# Altium PCB FX_HT32.PcbDoc (part 1 of 3)
Units mil, origin at the board's own origin, x right, y up, seen from the top; angles counter-clockwise.
Board outline 4186 x 4124 mil, 2 copper layers (Top Layer, Bottom Layer); 60 components, 114 nets, 280 pads, 2 vias.
Unrouted connection lines stored in the file: 13.
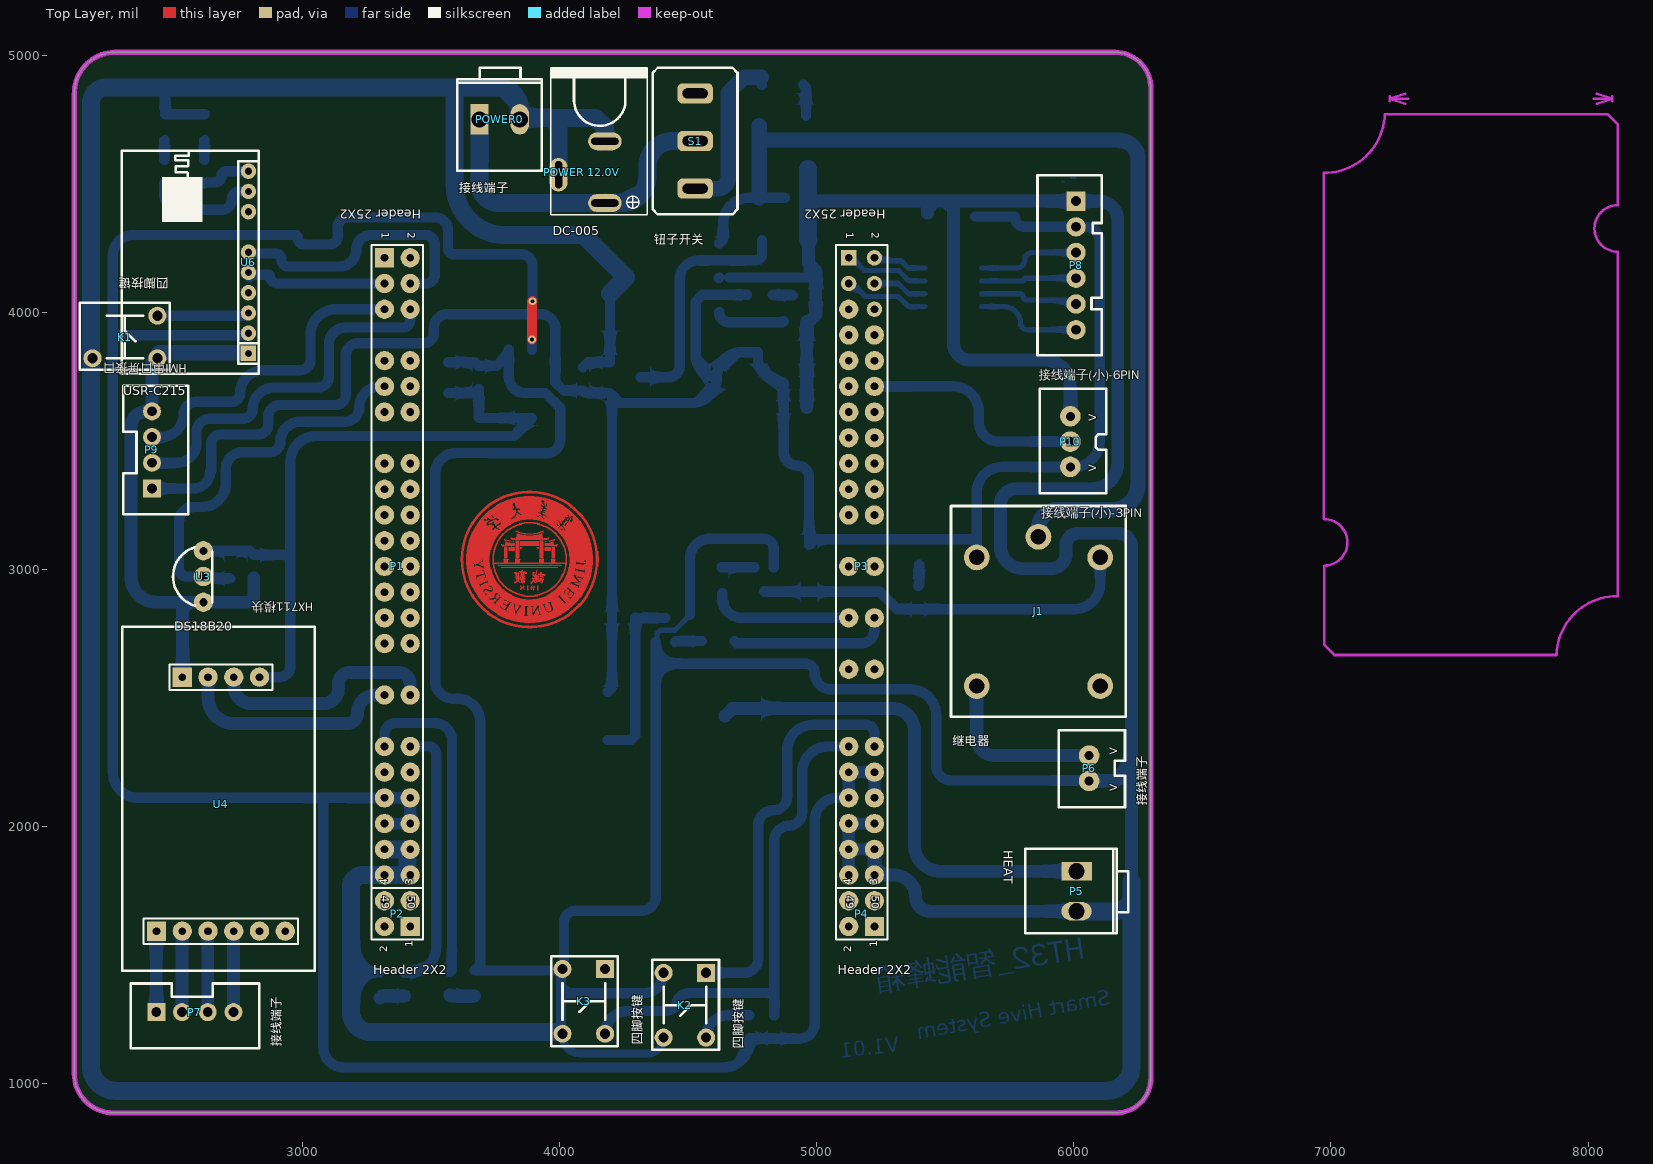
[diagram p0: Top Layer view]
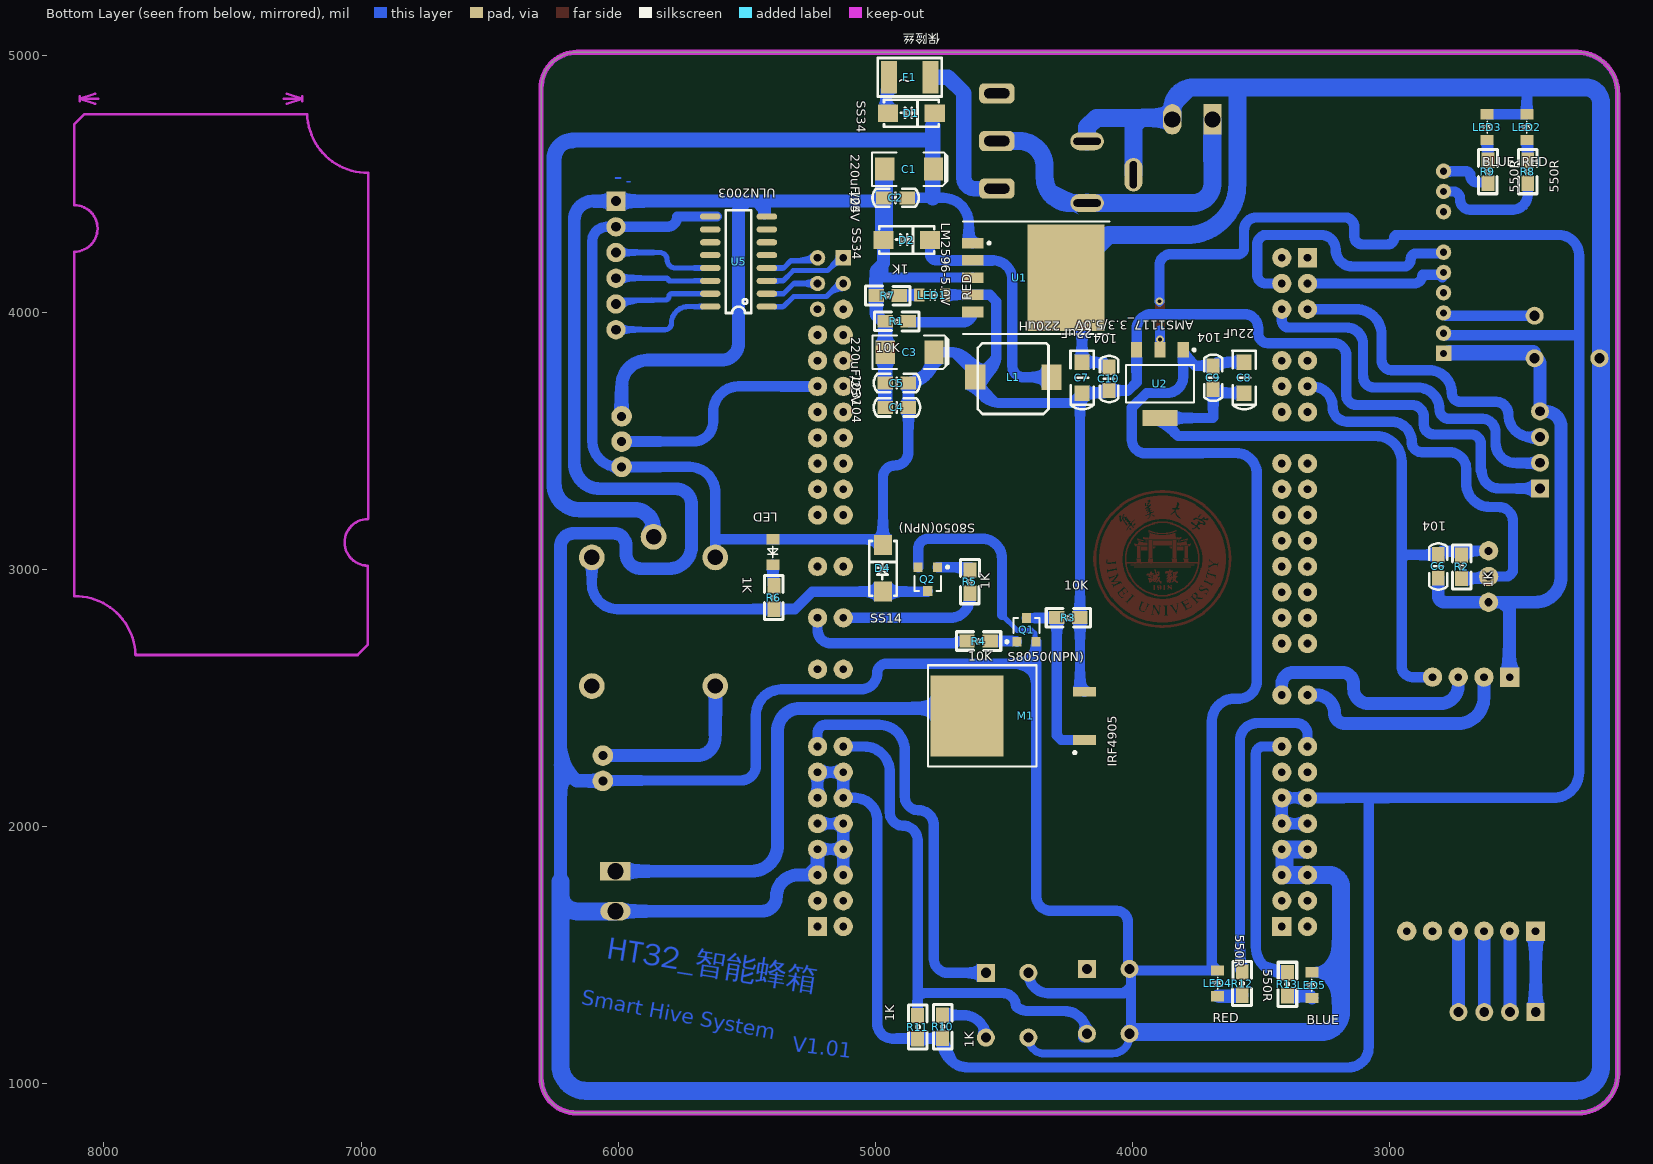
[diagram p1: Bottom Layer view, seen from below]
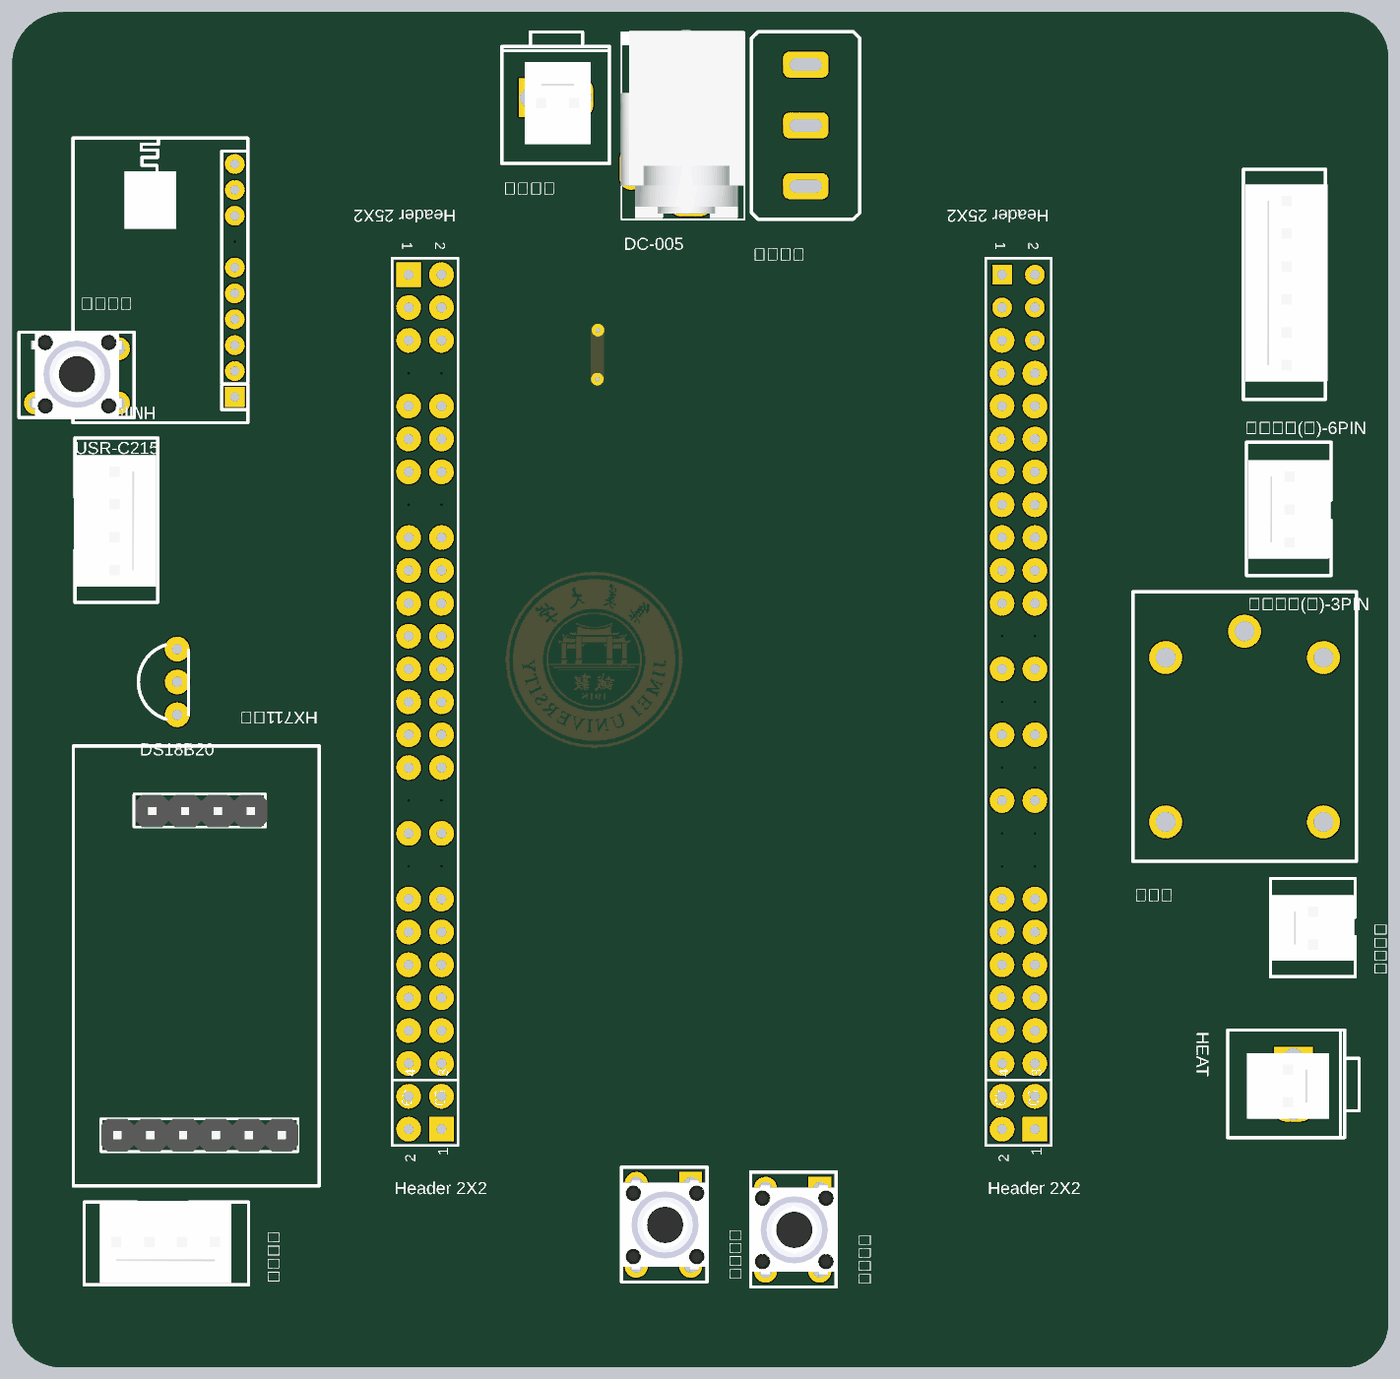
[diagram p4: 3D render of the assembled board from above, using the file's embedded part models]
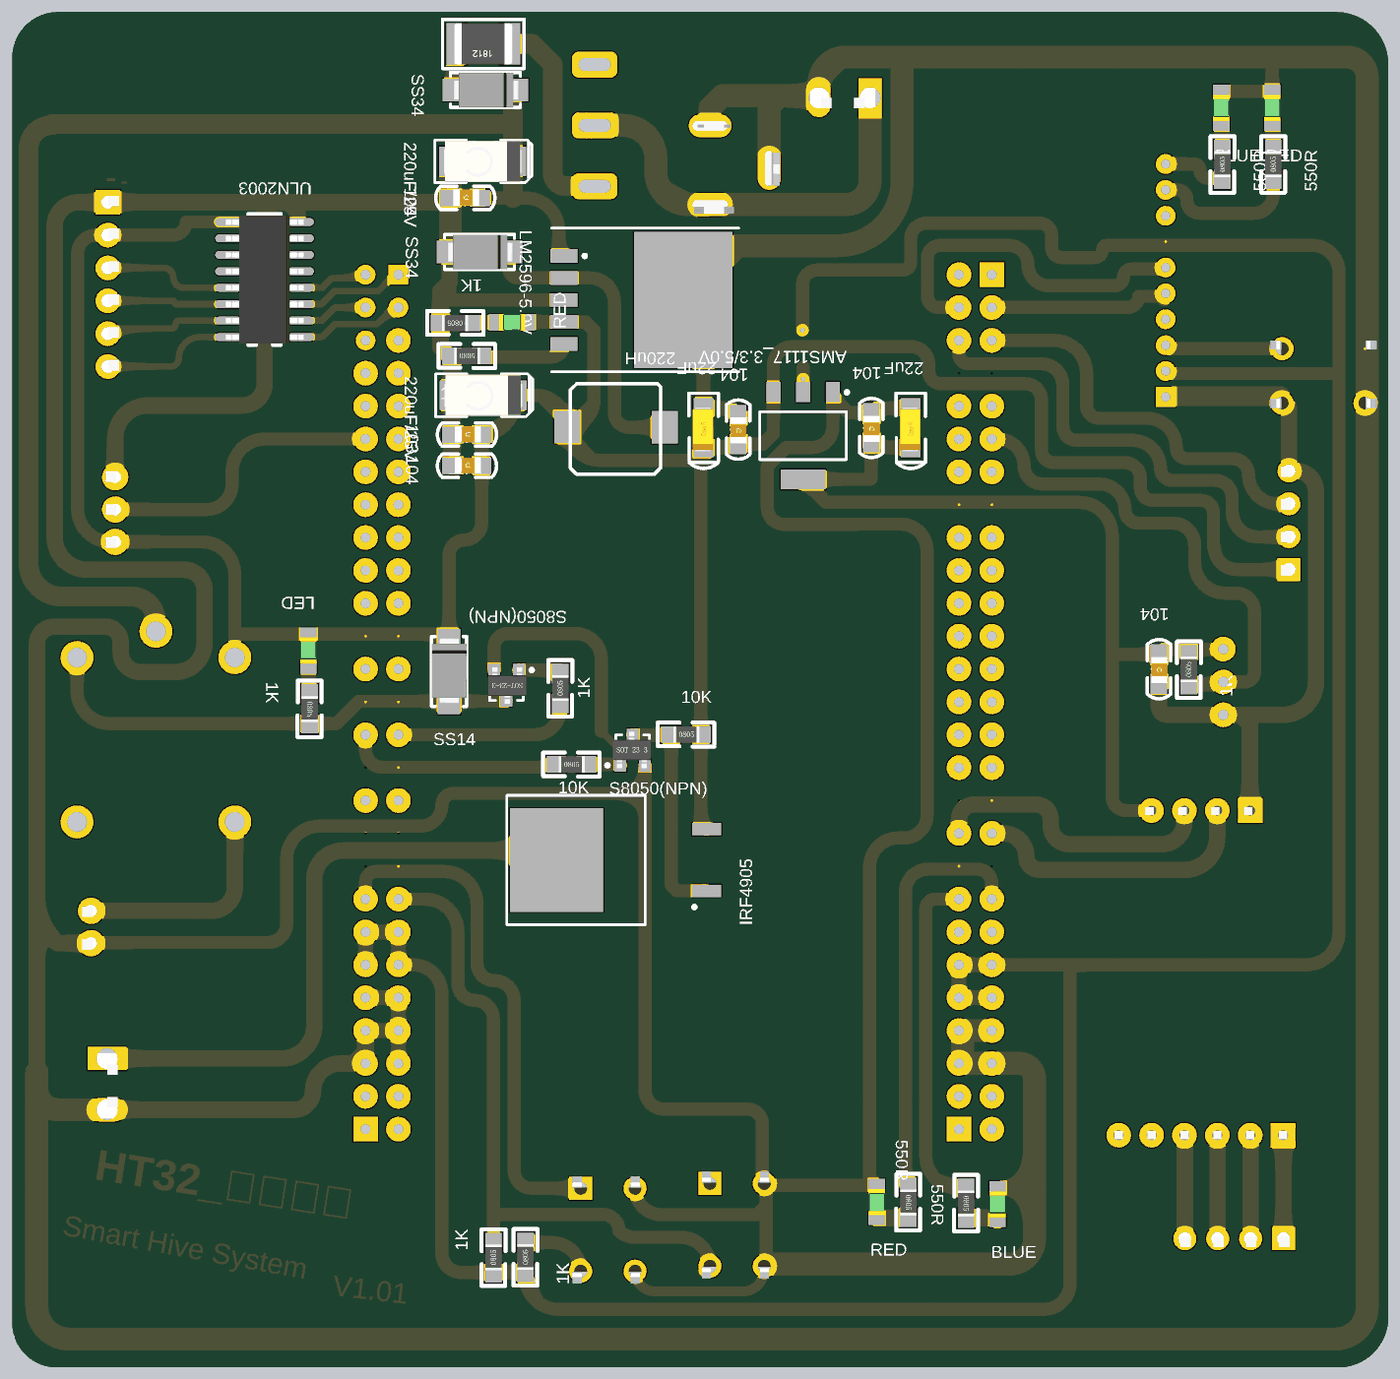
[diagram p5: 3D render of the assembled board from below, using the file's embedded part models]

## Layer stack, top to bottom
Top Solder: solder mask 0.4, Solder Resist, Dk 3.5
Top Layer: signal copper 1.4
Dielectric 1: dielectric 12.6, FR-4, Dk 4.8
Bottom Layer: signal copper 1.4
Bottom Solder: solder mask 0.4, Solder Resist, Dk 3.5

## Board outline
2114,1038.93 ccw(c2265.93,1038.93) 2265.93,887 6164,887 ccw(c6164,1023) 6300,1023 6300,4872 ccw(c6161,4872) 6161,5011 2270,5011 ccw(c2273,4852) 2114,4849

## Design rules (kind name [scope] priority, off if disabled: settings)
Clearance [All] p1: gap=10
ComponentClearance [All] p1: gap=0 collisioncheckmode=3 verticalgap=0 showdistances=FALSE
PolygonConnect [All] p1: connectstyle=Relief reliefconductorwidth=10 reliefentries=4 polygonreliefangle="90 Angle" airgapwidth=10
RoutingVias [All] p1: holewidth=28 width=50 viastyle="Through Hole" minholewidth=28 minwidth=50 maxholewidth=28 maxwidth=50
SolderMaskExpansion [All] p1: expansion=4
Width [All] p1: maxlimit=80 minlimit=20 preferedwidth=40
29 further rules are at their usual default settings.

## Components (designator, comment, footprint, x,y, rotation, side; value= is the part's Value field where it differs from the comment)
C1 "220uF/25V" Cap1(100uF) 4774,4557 r180 bottom
C2 "104" 0805C 4962,4445 r180 bottom
C3 "220uF/25V" Cap1(100uF) 4772,3845 r180 bottom
C4 "104" 0805C 4957,3630 r180 bottom
C5 "103" 0805C 4957,3725 r180 bottom
C6 "104" 0805C 2812,3052 r270 bottom
C7 "22uF" Cap122uF) 4197,3686 r270 bottom
C8 "22uF" Cap122uF) 3567,3686 r270 bottom
C9 "104" 0805C 3687,3786 r270 bottom
C10 "104" 0805C 4092,3781 r270 bottom
D1 "SS34" SS14 4944,4773 r180 bottom
D2 "SS34" SS14 4962,4280 r180 bottom
D4 "SS14" SS14 4970,2921 r90 bottom
F1 "保险丝" 1812 4781,4914 r0 bottom
J1 "继电器" 继电器 5865,3128 r0 top
K1 "四脚按键" SW_PB4_DIP#1 2437,3988 r180 top
K2 "四脚按键" SW_PB4_DIP#2 4572,1180 r90 top
K3 "四脚按键" SW_PB4_DIP#2 4179,1195 r90 top
L1 "220uH" "电感 220uh" 4317,3750 r0 bottom
LED1 "RED" 0805LED 4732,4065 r0 bottom
LED2 "RED" 0805LED 2469,4672 r90 bottom
LED3 "BLUE" 0805LED 2624,4672 r90 bottom
LED4 "RED" 0805LED 3672,1343 r90 bottom
LED5 "BLUE" 0805LED 3305,1336 r90 bottom
M1 "IRF4905" IRF4905 4641,2447 r90 bottom
P1 "Header 25X2" HDR2X25#1 3320,4212 r270 top
P2 "Header 2X2" HDR2X2 3420,1612 r90 top
P3 "Header 25X2" HDR2X25#2 5125,4212 r270 top
P4 "Header 2X2" HDR2X2 5225,1612 r90 top
P5 "HEAT" HEAT 6011,1825 r270 top
P6 "接线端子" 接线端子(小)-2PIN 6060,2178 r90 top
P7 "接线端子" 接线端子(小)-4PIN 2632,1276 r180 top
P8 "接线端子(小)-6PIN" 接线端子(小)-6PIN 6007,4033 r90 top
P9 "HMI串口屏接口" 接线端子(小)-4PIN 2419,3514 r270 top
P10 "接线端子(小)-3PIN" 接线端子(小)-3PIN 5967,3399 r90 top
POWER0 "接线端子" HEAT 3692,4750 r0 top
"POWER 12.0V" "DC-005" DC-005 4172,4420 r90 top
Q1 "S8050(NPN)" NPN 4375,2719 r180 bottom
Q2 "S8050(NPN)" NPN 4834,3009 r0 bottom
R1 "10K" 0805R 4917,3965 r180 bottom
R2 "1K" 0805R 2721,3010 r90 bottom
R3 "10K" 0805R 4250,2813 r180 bottom
R4 "10K" 0805R 4599,2722 r180 bottom
R5 "1K" 0805R 4633,2953 r90 bottom
R6 "1K" 0805R 5395,2891 r270 bottom
R7 "1K" 0805R 4952,4065 r0 bottom
R8 "550R" 0805R 2464,4547 r90 bottom
R9 "550R" 0805R 2619,4547 r90 bottom
R10 "1K" 0805R 4739,1222 r90 bottom
R11 "1K" 0805R 4836,1221 r90 bottom
R12 "550R" 0805R 3574,1390 r270 bottom
R13 "550R" 0805R 3398,1387 r270 bottom
S1 "钮子开关" 钮子开关(大) 4527,4485 r90 top
U1 "LM2596-5.0V" TO-263-5 4622,4265 r270 bottom
U2 "AMS1117_3.3/5.0V" SOT-223 3807,3856 r0 bottom
U3 "DS18B20" DS18B20 2617,2972 r0 top
U4 "HX711模块" HX711模块 2753,2089 r270 top
U5 "ULN2003" ULN2003 5536,4192 r0 bottom
U6 "USR-C215" USR-C215 2527,4434 r0 top
? "LED" 0805LED 5397,3116 r270 bottom

## Footprints (in the part's own frame and the unit in brackets; to place one, negate y for a bottom-side part, rotate by r counter-clockwise, add the part's x,y. Pads: shape width x height; smd on the part's side, far side on the other; paste and mask are expansions set on the pad)
0805C [mil]
  rect 60x50 smd: 1(-5,0) 2(85,0)
  silkscreen extent -50,-35 131,36, body extent -16,-26 102,29, height 37
0805LED [mil]
  rect 40x50 smd: 1(-2,-2) 2(98,-2)
  silkscreen extent 25,-22 71,18, body extent 7,-27 87,23, height 43
0805R [mil]
  rect 60x50 smd: 1(-45,0) 2(45,0)
  silkscreen extent -86,-37 86,36, body extent -38,-25 40,25, height 22
1812 [mm]
  rect 1.6x3.2 smd: 1(0.127,0) 2(4.227,0)
  silkscreen extent -0.97,-1.9 5.33,1.9, body extent -0.07,-1.6 4.43,1.6, height 1.6
Cap1(100uF) [mil]
  rect 75x90 smd: 1(0,0) 2(-190,0)
  silkscreen extent -240,-65 55,65, body extent -213,-63 23,63, height 102
Cap122uF) [mil]
  rect 60x60 smd: 1(0,0) 2(-120,0)
  silkscreen extent -165,-45 64,45, body extent -122,-33 12,30, height 65
DC-005 [mil]
  oval 70x130 hole 27.56 slot 106.3 at 90 deg: 1(5,-5) 2(245,-5)
  oval 130x70 hole 27.56 slot 106.3 at 0 deg: 3(115,175)
  silkscreen extent -40,-170 530,205, body extent -36,-168 538,207, height 430
DS18B20 [mm]
  round 1.905 hole 0.8: 1(-0.027,-2.523) 2(-0.027,0.017) 3(-0.027,2.557)
  silkscreen extent -3.03,-2.86 0.85,2.88, body extent -2.73,-2.81 1.45,2.93, height 16.25
HDR2X2 [mil] "Connector; Header; 2x2 Position"
  rect 75x75 hole 30: 1(0,0)
  round 75 hole 30: 2(0,100) 3(100,0) 4(100,100)
  silkscreen extent -50,-50 150,150
HDR2X25#1 [mil] "Connector; Header; 25x2 Position"
  rect 75x75 hole 30: 1(0,0)
  round 75 hole 30: 2(0,100) 3(100,0) 4(100,100) 5(200,0) 6(200,100) 9(400,0) 10(400,100) 11(500,0) 12(500,100) 13(600,0) 14(600,100) 17(800,0) 18(800,100) 19(900,0) 20(900,100) 21(1000,0) 22(1000,100) 23(1100,0) 24(1100,100) 25(1200,0) 26(1200,100) 27(1300,0) 28(1300,100) 29(1400,0) 30(1400,100) 31(1500,0) 32(1500,100) 35(1700,0) 36(1700,100) 39(1900,0) 40(1900,100) 41(2000,0) 42(2000,100) 43(2100,0) 44(2100,100) 45(2200,0) 46(2200,100) 47(2300,0) 48(2300,100) 49(2400,0) 50(2400,100)
  round 0 all layers, no hole: 7(300,0) 8(300,100) 15(700,0) 16(700,100) 33(1600,0) 34(1600,100) 37(1800,0) 38(1800,100)
  silkscreen extent -50,-50 2450,150
HDR2X25#2 [mil] "Connector; Header; 25x2 Position"
  rect 60x60 hole 30: 1(0,0)
  round 60 hole 30: 2(0,100) 3(100,0) 4(100,100) 6(200,100)
  round 75 hole 30: 5(200,0) 7(300,0) 8(300,100) 9(400,0) 10(400,100) 11(500,0) 12(500,100) 13(600,0) 14(600,100) 15(700,0) 16(700,100) 17(800,0) 18(800,100) 19(900,0) 20(900,100) 21(1000,0) 22(1000,100) 25(1200,0) 26(1200,100) 29(1400,0) 30(1400,100) 33(1600,0) 34(1600,100) 39(1900,0) 40(1900,100) 41(2000,0) 42(2000,100) 43(2100,0) 44(2100,100) 45(2200,0) 46(2200,100) 47(2300,0) 48(2300,100) 49(2400,0) 50(2400,100)
  round 0 all layers, no hole: 23(1100,0) 24(1100,100) 27(1300,0) 28(1300,100) 31(1500,0) 32(1500,100) 35(1700,0) 36(1700,100) 37(1800,0) 38(1800,100)
  silkscreen extent -50,-50 2450,150
HEAT [mm]
  rect 1.8x3 hole 1.6: 1(-0.051,0.007)
  oval 1.8x3 hole 1.6: 2(3.909,0.007)
  silkscreen extent -2.25,-5.07 6.07,5.09, body extent -0.47,-3.57 4.61,2.78, height 11.68
HX711模块 [mil]
  round 75 hole 30: 1(-492.49,81.19) 2(-492.49,-18.81) 3(-492.49,-118.81) 6(495.26,-219) 7(495.26,-119) 8(495.26,-19) 9(495.26,81) 10(495.26,181)
  rect 75x75 hole 30: 4(-492.49,-218.81) 5(495.26,-319)
  silkscreen extent -689,-453 650,295, body extent -669,-433 630,276, height 340
IRF4905 [mm]
  rect 8x7.2 smd: 1(-0.41,0.087)
  rect 0.95x2.25 smd: 2(-2.79,-11.513) 3(1.97,-11.513)
  silkscreen extent -5.41,-10.69 4.59,3.91, body extent -5.41,-6.76 4.59,1.94, height 4.5
NPN [mm]
  rect 0.9x0.95 smd: 1(-0.001,0.001) 2(-1.901,0.001) 3(-0.951,2.351)
  silkscreen extent -3.03,-0.12 0.35,2.35, body extent -2.47,-0.21 0.43,2.59, height 1.2
SOT-223 [mm]
  rect 1.1x1.55 smd: 1(-0.09,0.029) 2(2.21,0.029) 3(4.51,0.029)
  rect 3.45x1.55 smd: 4(2.21,6.779)
  silkscreen extent -1.29,-0.07 5.56,5.25, body extent -1.09,-0.53 5.51,6.83, height 0.8
SS14 [mm]
  rect 2x1.75 smd: 1(-0.178,0.025) 2(4.422,0.025)
  silkscreen extent -0.58,-1.32 4.82,1.38, body extent -0.38,-1.32 4.73,1.35, height 2.12
SW_PB4_DIP#1 [mil]
  rect 0x0 all layers, no hole: 1(251.98,1.32)
  round 70 hole 39.37: 2(251.98,166.68) 3(0.02,166.68) 4(0.02,1.32)
  silkscreen extent -48,-49 302,211, body extent -37,-49 288,207, height 315
SW_PB4_DIP#2 [mil]
  rect 70x70 hole 39.37: 1(251.98,1.32)
  round 70 hole 39.37: 2(251.98,166.68) 3(0.02,166.68) 4(0.02,1.32)
  silkscreen extent -48,-49 302,211, body extent -37,-49 288,207, height 315
TO-263-5 [mm]
  rect 1.05x2.1 smd: 1(-0.098,0.017) 2(1.602,0.017) 3(3.302,0.017) 4(5.002,0.017) 5(6.702,0.017)
  rect 10.5x7.62 smd: 6(3.302,9.229)
  silkscreen extent -2.25,-0.93 8.85,13.52, body extent -2.03,-0.46 8.64,14.53, height 3
ULN2003 [mil]
  oval 80x24 smd: 1(-113.69,169.78) 2(-113.69,119.78) 3(-113.69,69.78) 4(-113.69,19.78) 5(-113.69,-30.22) 6(-113.69,-80.22) 7(-113.69,-130.22) 8(-113.69,-180.22) 9(106.31,-180.22) 10(106.31,-130.22) 11(106.31,-80.22) 12(106.31,-30.22) 13(106.31,19.78) 14(106.31,69.78) 15(106.31,119.78) 16(106.31,169.78)
  silkscreen extent -54,-205 46,195, body extent -122,-200 114,190, height 55
USR-C215 [mil]
  rect 60x60 hole 28: 1(264.14,-593.99)
  round 60 hole 28: 2(264.14,-515.25) 3(264.14,-436.51) 4(264.14,-357.77) 5(264.14,-279.03) 6(264.14,-200.29) 8(264.14,-42.81) 9(264.14,35.93) 10(264.14,114.67)
  round 0 all layers, no hole: 7(264.14,-121.55)
  silkscreen extent -228,-673 304,193, body extent -227,-672 303,193, height 40
接线端子(小)-2PIN [mil]
  round 80 hole 35: 1(0,0) 2(98.43,0)
  silkscreen extent -102,-139 197,118, body extent -54,-137 146,113, height 460
接线端子(小)-3PIN [mil]
  round 80 hole 35: 1(0,-19.69) 2(98.43,-19.69) 3(196.85,-19.69)
  silkscreen extent -102,-159 303,98, body extent -52,-157 248,93, height 460
接线端子(小)-4PIN [mil]
  rect 70x70 hole 38: 1(199.11,-3)
  round 70 hole 38: 2(99.11,-3) 3(-0.89,-3) 4(-100.89,-3)
  silkscreen extent -201,-114 299,138, body extent -149,-118 251,132, height 460
接线端子(小)-6PIN [mil]
  rect 75x75 hole 38: 1(399.35,-2.1)
  round 75 hole 38: 2(299.35,-2.1) 3(199.35,-2.1) 4(99.35,-2.1) 5(-0.65,-2.1) 6(-100.65,-2.1)
  silkscreen extent -201,-102 499,148, body extent -146,-108 454,142, height 460
"电感 220uh" [mm]
  rect 2x2.5 smd: 1(-0.048,0.065) 2(7.496,0.04)
  silkscreen extent 0.26,-3.31 7.25,3.69, body extent 0.2,-3.4 7.32,3.71, height 4
继电器 [mil]
  round 100 hole 60: 1(-2.19,-1.05) 2(237.81,-581.05) 3(-242.19,-581.05) 4(237.81,-81.05) 5(-242.19,-81.05)
  silkscreen extent -342,-701 338,119, body extent -331,-732 335,134, height 587
钮子开关(大) [mm]
  rrect50% 2x3.5 hole 1 slot 2.5 at 90 deg: 1(-0.102,-0.025) 2(4.598,-0.025) 3(9.298,-0.025)
  silkscreen extent -2.64,-4.21 11.83,4.17

## Part data
C1 C3 C7 C8: library part Cap1(100uF)
C2 C4 C5 C6 C9 C10: library part C1
D1 D2: library part SS14
F1: library part F1
K1 K2 K3: library part Key(四脚)
L1: library part L1
LED1 LED2 LED3 LED4 LED5: library part LED
P1 P3: "Header, 25-Pin, Dual row"
P2 P4: "Header, 2-Pin, Dual row"
P5 P6 POWER0: library part 接线端子(小)-2PIN
P7 P9: library part 接线端子(小)-4PIN
Q1 Q2: library part Q2
R1 R2 R3 R4 R5 R6 R7 R8 R9 R10 R11 R12 R13: library part R1
U1: library part LM2596
U2: library part AMS1117-3.3V/5.0V

## Via types
v1: diameter 30, hole 15, Top Layer to Bottom Layer, 2 vias

## Nets (pads, with @x,y where several pads share a name; then routed paths per layer and width w, separated by ;. In a path a pad name is that pad's centre, name@x,y a point inside that pad or via, vN(x,y) a via of type N, cw(c..) or ccw(c..) an arc to the next point about the centre after c; other vN are vias at no path point)
3.3V: C6.1 C8.1 C9.2 P1.43 P1.44 P1.45 P1.46 P3.41 P3.42 P3.43 P3.44 R2.2 R10.1 R11.1 U2.2 U2.4 U3.3 U4.1 U6.2 | length 13297.4
  Top Layer w40: v1(3894,3894) 3894,4041 v1(3896,4043)
  Bottom Layer w40: 2264,3913 2264,4220 cw(c2345,4220) 2345,4301 2971,4301 cw(c2971,4289) 2983,4289 ccw(c3008,4289) 3008,4264 3107,4264 ccw(c3107,4295) 3138,4295 3138,4331 cw(c3176,4331) 3176,4369 3518,4369 cw(c3518,4320.02) 3566.98,4320.02 3566.98,4249 ccw(c3589.98,4249) 3589.98,4226 3851,4226 cw(c3851,4181) 3896,4181 v1(3896,4043) ; U3.3@2615.93,3072.68 2796.32,3072.68 C6.1@2812,3057 2929,3057 cw(c2929,3032) 2954,3032 ; U6.2@2791.14,3918.75 2783.39,3911 2264,3911 2264,2212 ccw(c2364,2212) 2364,2112 3071,2112 ; U4.1@2834.19,2581.49 2911.49,2581.49 ccw(c2911.49,2624) 2954,2624 2954,3032 ; P1.45@3320,2012 P1.46@3420,2012 P1.44@3420,2112 P1.43@3320,2112 3071,2112 ; C8.1@3567,3686 3672,3686 C9.2@3687,3701 3687,3591 3688.87,3589.13 U2.4@3894,3589.13 3823.87,3519 3054,3519 ccw(c3054,3419) 2954,3419 2954,3032 ; U2.2@3894,3854.87 v1(3894,3894) 3894,3929 ; P3.44@5225,2112 P3.42@5225,2212 P3.41@5125,2212 P3.43@5125,2112 5080,2112 ccw(c5080,2025) 4993,2025 4993,1235 cw(c4934,1235) 4934,1176 R11.1@4836,1176 4835,1177 R10.1@4739,1177 4739,1164 cw(c4639,1164) 4639,1064 3161,1064 cw(c3161,1143) 3082,1143 3082,2101 3071,2112
5.0V: ?.1 C3.1 C4.2 C5.2 C7.1 C10.2 D4.2 J1.5 L1.2 LED1.1 M1.3 P8.2 P9.1 P10.1 R3.2 U1.4 U2.3 U5.9 | length 8660.6
  Bottom Layer w40: P9.1@2416,3314.89 2574.89,3314.89 ccw(c2574.89,3383) 2643,3383 ccw(c2643,3386) 2646,3386 2646,3488 cw(c2683,3488) 2683,3525 2829.17,3525 ccw(c2829.17,3563.83) 2868,3563.83 2868,3593 cw(c2915,3593) 2915,3640 3131,3640 ccw(c3131,3678) 3169,3678 3169,3831 cw(c3218,3831) 3218,3880 3474,3880 ccw(c3474,3918) 3512,3918 3512,3939 cw(c3566,3939) 3566,3993 3927,3993 cw(c3927,3935.45) 3984.55,3935.45 U2.3@3984.55,3854.87 3984.55,3727.45 4016,3696 C10.2@4092,3696 4102,3686 C7.1@4197,3686 C7.1@4205,3678 ; M1.3@4187.72,2524.57 4205,2541.85 R3.2@4205,2813 C7.1@4205,3678 ; LED1.1@4730,4067 4728.93,4068.07 U1.4@4621.34,4068.07 4556.07,4068.07 4530,4042 4530,3830.55 ccw(c4612.11,3830.55) L1.2@4612.11,3748.44 ; U5.9@5616,4372.22 U5.9@5642.31,4372.22 5770.78,4372.22 ccw(c5810.65,4372.22) 5810.65,4332.35 P8.2@6009.1,4332.35 6044.65,4332.35 cw(c6044.65,4276) 6101,4276 6101,3499 cw(c6001,3499) 6097.4,3472.4 cw(c6001,3499) 6027.6,3402.6 cw(c6001,3499) 6001,3399 P10.1@5986.69,3399 5722.81,3399 ccw(c5722.81,3299) 5622.81,3299 5622.81,3117 ; J1.5@5622.81,3046.95 5622.81,3117 ; C7.1@4205,3678 4236,3647 4512.11,3647 ccw(c4512.11,3747) 4612.11,3747 L1.2@4612.11,3748.44 ; L1.2@4612.11,3748.44 cw(c4708.67,3748.44) 4708.67,3845 C3.1@4772,3845 4772,3825 ccw(c4872,3825) C5.2@4872,3725 C4.2@4872,3630 4872,3457 ccw(c4924.5,3457) 4924.5,3404.5 cw(c4924.5,3358) 4971,3358 D4.2@4971,3095.1 4993.9,3118 ?.1@5399,3118 5621.81,3118 5622.81,3117
12.0V: C1.1 C2.2 D1.2 J1.1 U1.1 | length 4089.8
  Bottom Layer w40: U1.1@4621.34,4268.86 4637.24,4284.76 4637.24,4345 cw(c4737.24,4345) 4737.24,4445 4777,4445 C2.2@4877,4445 ; 4777,4725.1 4777.9,4726 ; J1.1@5862.81,3126.95 5862.81,3136 cw(c5962.81,3136) 5936.85,3232.57
  Bottom Layer w60: 4777,4445 4777,4670 ; 4777,4725.1 4777,4670 ; J1.1@5862.81,3136 5862.81,3158.54 cw(c5936.85,3158.54) 5936.85,3232.57 6150,3232.57 ccw(c6150,3332.57) 6226.76,3268.47 ccw(c6150,3332.57) 6250,3332.57 6250,4596 ccw(c6179,4596) 6179,4667 6179,4670 4777,4670
A0: P1.1
A1: P1.2
A2: P1.3 U6.5 | length 573.4
  Bottom Layer w40: U6.5@2796.64,4135.98 cw(c2826.66,4154.97) U6.5@2791.14,4154.97 ccw(c2800.11,4154.97) 2800.11,4146 2873,4146 ccw(c2907,4146) 2907,4112 P1.3@3320,4112
A3: P1.4 U6.6 | length 1079.8
  Bottom Layer w40: U6.6@2791.14,4233.71 2795.85,4229 2895.09,4229 cw(c2895.09,4204.55) 2919.54,4204.55 ccw(c2946.09,4204.55) 2926.21,4186.96 ccw(c2946.09,4204.55) 2946.09,4178 3145,4178 ccw(c3145,4243.5) 3210.5,4243.5 cw(c3268,4243.5) 3268,4301 3478,4301 cw(c3478,4263) 3516,4263 3516,4147 cw(c3481,4147) 3481,4112 P1.4@3420,4112
A4: P1.5 P9.3 | length 1229.8
  Bottom Layer w40: P9.3@2416,3514.89 2450.89,3514.89 ccw(c2450.89,3603) 2539,3603 cw(c2588,3603) 2588,3652 2725,3652 ccw(c2725,3686) 2759,3686 cw(c2848,3686) 2848,3775 2993,3775 ccw(c2993,3814) 3032,3814 3032,3912 cw(c3132,3912) 3132,4012 P1.5@3320,4012
A5: P1.6 P9.2 | length 1490.7
  Bottom Layer w40: 2469.89,3414.89 P9.2@2416,3414.89 ccw(c2416.89,3414.89) 2416.89,3414 2511,3414 ccw(c2511,3492) 2589,3492 2589,3534 cw(c2641,3534) 2641,3586 2770,3586 ccw(c2770,3623) 2807,3623 cw(c2892,3623) 2892,3708 3063,3708 ccw(c3063,3748) 3103,3748 ccw(c3103,3749) 3104,3749 3104,3876 cw(c3169,3876) 3169,3941 3392,3941 ccw(c3392,3969) 3420,3969 P1.6@3420,4012
A6: P1.7
A7: P1.8
A8: K3.1 K3.4 P3.39 R11.2 | length 2025.8
  Bottom Layer w40: K3.4@4177.68,1195.02 cw(c4265.66,1195.02) 4265.66,1283 4406,1283 ccw(c4406,1353) 4453.52,1301.6 cw(c4504.92,1301.6) 4475.37,1343.66 cw(c4504.92,1301.6) 4504.92,1353 4809,1353 cw(c4809,1326) 4836,1326 ; K3.4@4192,1180 K3.4@4192.35,1180.35 ; R11.2@4836,1266 4836,1326 ; 5026.58,2309.58 cw(c5048,2216) 5048,2312 ; P3.39@5125,2312 5048,2312 ; 4836,1326 4836,1947 cw(c4893,1947) 4893,2004 ccw(c4893,2055) 4944,2055 4944,2212 cw(c5044,2212) 4945.34,2228.34 cw(c5044,2212) 5044,2312 5048,2312
A9: K2.1 K2.4 P3.40 R10.2 | length 1792.4
  Bottom Layer w40: K2.4@4570.68,1180.02 cw(c4657.66,1180.02) 4657.66,1267 R10.2@4739,1267 ; K2.1@4570.68,1431.98 4718.98,1431.98 ccw(c4718.98,1486) 4773,1486 4773,2004 cw(c4833,2004) 4833,2064 ccw(c4833,2117) 4886,2117 4886,2296 cw(c4986,2296) 4986,2396 5194,2396 cw(c5194,2365) 5225,2365 P3.40@5225,2312
A10: P3.37
A11: P3.38
A12: P3.35
A13: P3.36
A14: P3.33
A15: P3.34
B0: P3.31
B1: P3.32
B2: P3.20
B3: P3.17
B4: P3.18
B5: P3.15
B6: P3.5
B7: P3.6
B8: P3.3 U5.1 | length 334.5
  Bottom Layer w20: P3.3@5125,4112 5140,4112 5190,4062 5318,4062 5357.78,4022.22 U5.1@5422.31,4022.22
B9: P3.4 U5.2 | length 213.8
  Bottom Layer w20: P3.4@5225,4112 5318,4112 5357.78,4072.22 U5.2@5422.31,4072.22
B10: P3.1 U5.3 | length 334.5
  Bottom Layer w20: P3.1@5125,4212 5137,4212 5187,4162 5320,4162 5359.78,4122.22 U5.3@5422.31,4122.22
B11: P3.2 U5.4 | length 213.8
  Bottom Layer w20: P3.2@5225,4212 5236,4201 5328,4201 5356.78,4172.22 U5.4@5422.31,4172.22
B12: P1.19
B13: P1.20
B14: P1.28
B15: P1.29
C0: P1.35 U4.3 | length 886.7
  Bottom Layer w50: U4.3@2634.19,2581.49 2634.19,2501 ccw(c2734.19,2501) 2734.19,2401 3174,2401 ccw(c3174,2442) 3215,2442 cw(c3285,2442) 3285,2512 P1.35@3320,2512
C1: P1.36 U4.2 | length 903.8
  Bottom Layer w50: U4.2@2734.19,2581.49 2734.19,2547.81 ccw(c2803,2547.81) 2803,2479 3083,2479 ccw(c3083,2537) 3141,2537 3141,2555 cw(c3186,2555) 3186,2600 3374,2600 cw(c3374,2554) 3420,2554 P1.36@3420,2512
C2: P1.37
C3: P1.38
C4: P3.29 R5.1 | length 555
  Bottom Layer w40: R5.1@4633,2908 4633,2889 ccw(c4710,2889) 4646.39,2845.61 ccw(c4710,2889) 4666.61,2825.39 ccw(c4710,2889) 4710,2812 P3.29@5125,2812
C5: P3.30 R4.1 | length 624
  Bottom Layer w40: 4681,2721 4689,2713 5173,2713 ccw(c5173,2765) 5225,2765 P3.30@5225,2812
C6: P3.27
C7: P3.16
C8: P3.13
C9: P1.14
C10: P1.15
C11: P1.16
C12: P1.17
C13: P1.21
C14: P1.22
C15: P1.23
D0: P1.24
D1: P1.30
D2: P1.31
D3: P1.32
D4: P1.33
D5: P1.34
D6: P1.18
D7: P1.39 R12.1 | length 1277.2
  Bottom Layer w40: P1.39@3320,2312 3320,2359 cw(c3364,2359) 3364,2403 3514,2403 cw(c3514,2334) 3583,2334 3583,1444 R12.1@3574,1435
D8: P1.40 R13.1 | length 1048.6
  Bottom Layer w40: R13.1@3398,1432 3421,1432 ccw(c3421,1532) 3521,1532 3521,2283 ccw(c3492,2283) 3492,2312 P1.40@3420,2312
D9: P3.28
D10: P3.25
D11: P3.26
D12: P3.23
D13: P3.24
D14: P3.21
D15: P3.22
E0: P3.19
E1: P3.14
E2: P3.11
E3: P3.12 P10.2 | length 900.3
  Bottom Layer w40: P3.12@5225,3712 5531,3712 cw(c5531,3612) 5564.93,3706.07 cw(c5531,3612) 5625.07,3645.93 cw(c5531,3612) 5631,3612 5631,3574.36 ccw(c5707.94,3574.36) 5707.94,3497.43 P10.2@5986.69,3497.43
E4: P3.9
E5: P3.10
E6: P3.7
E7: P3.8
E8: P1.9
E9: P1.10
E10: P1.11 R2.1 U3.2 | length 1527.2
  Bottom Layer w40: R2.1@2721,2965 2623.61,2965 U3.2@2615.93,2972.68 2550.32,2972.68 cw(c2550.32,3002) 2521,3002 2521,3187 cw(c2577,3187) 2577,3243 2611,3243 ccw(c2611,3335) 2703,3335 2703,3390 cw(c2769,3390) 2769,3456 2874.75,3456 ccw(c2874.75,3496) 2914.75,3496 cw(c2993.75,3496) 2993.75,3575 3166,3575 ccw(c3166,3631) 3222,3631 cw(c3303,3631) 3303,3712 P1.11@3320,3712
E11: P1.12
E12: P1.13
E13: P1.25
E14: P1.26
E15: P1.27
GND: "POWER 12.0V.2" "POWER 12.0V.3" C1.2 C2.1 C3.2 C4.1 C5.1 C6.2 C7.2 C8.2 C9.1 C10.1 D2.1 K1.2 K1.3 K2.2 K2.3 K3.2 K3.3 LED2.2 LED3.2 LED4.2 LED5.2 P1.47 P1.48 P1.49 P1.50 P2.1 P2.2 P2.3 P2.4 P3.45 P3.46 P3.47 P3.48 P3.49 P3.50 P4.1 P4.2 P4.3 P4.4 P5.2 P6.1 P8.1 P9.4 P10.3 POWER0.2 Q1.1 Q2.1 R1.1 R7.2 U1.3 U1.6 U2.1 U3.1 U4.4 U5.8 U6.1 | length 35843.3
  Bottom Layer w20: Q1.1@4375.05,2719.03 4380,2723.98 4380,2751 4393,2764 4449,2764 4508,2823
  Bottom Layer w30: K3.3@4006.34,1201 K3.3@4012.32,1195.02 4012.32,1184.68 ccw(c4079,1184.68) 4079,1118 4343.31,1118 ccw(c4343.31,1180.02) K2.3@4405.32,1180.02 ; 5514,4417.35 5529,4432.35
  Bottom Layer w40: K1.3@2429.49,3828.82 K1.3@2442.68,3842 ; 2449,4874 cw(c2449,4856) 2467,4856 LED2.2@2467,4770 ; LED2.2@2470,4770 LED3.2@2622,4770 ; 3190,1434 LED5.2@3303,1434 ; C8.2@3567,3806 3672,3806 3686,3792 3757,3792 U2.1@3803.45,3838.45 ; U2.1@3803.45,3854.87 U2.1@3803.45,3838.45 ; K3.3@4006.34,1201 K3.2@4006.34,1441 ; 4012.32,1374.68 4035,1352 4325.34,1352 ; C10.1@4092,3786 4112,3806 C7.2@4197,3806 U1.6@4197,4073.34 ; 4329.09,1352.09 ccw(c4325.34,1431.98) K2.2@4405.32,1431.98 ; Q1.1@4375.05,2719.03 4375.05,2634 ; 4508,2823 4508,3042 cw(c4586,3042) 4586,3120 4793,3120 cw(c4793,3079.05) 4833.95,3079.05 Q2.1@4833.95,3008.97 ; U1.3@4620,4133.66 U1.3@4621.34,4135 ; U1.3@4660,4135 4969,4135 D2.1@4969,4281 ; P3.49@5125,1812 P3.47@5125,1912 ; P3.48@5225,1912 P3.47@5125,1912 ; P3.46@5225,2012 P3.45@5125,2012 P3.47@5125,1912 ; P6.1@6060,2178 6058,2180 5522,2180 cw(c5522,2237) 5465,2237 5465,2434 ccw(c5365,2434) 5365,2534 5057,2534 cw(c5057,2598) 4993,2598 ccw(c4957,2598) 4957,2634 4375.05,2634 ; U2.1@3803.45,3838.45 3803.45,3749.55 ccw(c3867,3749.55) 3867,3686 3946,3686 4003,3629 4003,3504 cw(c3951,3504) 3951,3452 3729,3452 ccw(c3728,3452) 3728,3453 3598,3453 ccw(c3598,3372) 3517,3372 3517,2567 ccw(c3586,2567) 3586,2498 3604,2498 cw(c3604,2410) 3692,2410 3692,1463 LED4.2@3670,1441 K3.2@4006.34,1441 ; K3.2@4006.34,1441 K3.2@4012.32,1446.98 4018,1452.66 4018,1628 cw(c4063,1628) 4063,1673 4317,1673 ccw(c4317,1731.05) 4375.05,1731.05 4375.05,2634
  Bottom Layer w50: K1.3@2436.98,3821.32 ccw(c2436.98,3800.34) 2416,3800.34 P9.4@2416,3614.89 2395.89,3614.89 ccw(c2395.89,3553) 2334,3553 2334,2972.68 ccw(c2434,2972.68) 2434,2872.68 2562.68,2872.68 ; U4.4@2534.19,2581.49 2535,2582.3 2535,2845 2562.68,2872.68 ; C6.2@2812,2967 2812,2899 cw(c2785.68,2899) 2785.68,2872.68 U3.1@2615.93,2872.68 2562.68,2872.68 ; C4.1@4962,3630 C5.1@4962,3725 C3.2@4962,3845 R1.1@4962,3965 ; C2.1@4967,4445 4979.65,4432.35 5461.35,4432.35 ; D2.1@4969,4281 4969,4191 4997,4163 R7.2@4997,4065 4997,3990 R1.1@4975,3968 ; P3.48@5225,1912 5225,1849 5262,1812 5301,1812 cw(c5301,1728) 5385,1728 ccw(c5441.91,1728) 5441.91,1671.09 P5.2@6011.26,1671.09 ; 5432,4385 5432,4403 5461.35,4432.35 ; 5514,4417.35 cw(c5514,4399.35) 5532,4399.35 5532,3881 ccw(c5599,3881) 5599,3814 5886.69,3814 cw(c5886.69,3714) 5986.69,3714 P10.3@5986.69,3595.85 ; P6.1@6060,2178 6162,2178 6225,2241 ; 6225,1786 6225,2241 ; 5461.35,4432.35 5529,4432.35 P8.1@6009.1,4432.35 6097.65,4432.35 cw(c6097.65,4359) 6171,4359 6171,3414 cw(c6071,3414) 6071,3314 5776,3314 ccw(c5776,3253) 5715,3253 5715,3091 ccw(c5803,3091) 5803,3003 5910,3003 ccw(c5910,3063) 5970,3063 5970,3094 cw(c6017,3094) 6017,3141 6172,3141 cw(c6172,3088) 6225,3088 6225,2241
  Bottom Layer w60: K1.3@2442.68,3842 U6.1@2768.46,3842
  Bottom Layer w70: P1.47@3320,1912 P1.48@3420,1912 ; P1.48@3409,1899 3409,1823 P1.50@3420,1812 P1.49@3320,1812 3236,1812 ccw(c3236,1766) 3190,1766 3190,1434 3190,1279 ccw(c3268,1279) 3268,1201 K3.3@4006.34,1201 ; 3997,4535 3997,4726 3967,4756 ; 4177,4665 4177,4720 4141,4756 3967,4756 ; U1.6@4197,4073.34 U1.6@4258.66,4135 4093.66,4300 3790.72,4300 cw(c3790.72,4497.72) 3593,4497.72 3593,4854 cw(c3613,4854) 3613,4874 ; C1.2@4967,4557 C2.1@4967,4445 4967,4283 D2.1@4969,4281 ; P5.2@6011.26,1671.09 6161.09,1671.09 ccw(c6161.09,1735) 6225,1735 ; 6225,1786 6225,1735 ; 3613,4874 3764,4874 cw(c3764,4792.09) 3845.91,4792.09 POWER0.2@3845.91,4750.26 3851.65,4756 3967,4756 ; 3613,4874 2449,4874 2240,4874 ccw(c2240,4812) 2178,4812 2178,1072 ccw(c2277,1072) 2277,973 6125,973 ccw(c6125,1073) 6225,1073 6225,1735
Net_2: ?.2 R6.1 | length 83.7
  Bottom Layer w40: R6.1@5395,2936 5399,2940 ?.2@5399,3018
NetD1_1: D1.1 F1.2 | length 125.4
  Bottom Layer w40: F1.2@4948.42,4885 4959,4874.42 D1.1@4959,4764
NetD2_2: D2.2 L1.1 U1.2 | length 944.4
  Bottom Layer w40: L1.1@4315.11,3747.44 4423.44,3747.44 ccw(c4423.44,3792) 4468,3792 4468,4128 cw(c4541.93,4128) 4541.93,4201.93 U1.2@4621.34,4201.93 4762.07,4201.93 ccw(c4762.07,4227.76) 4787.9,4227.76 D2.2@4787.9,4281
NetD4_1: D4.1 J1.4 Q2.3 R6.2 | length 1493.5
  Bottom Layer w40: Q2.3@4796.55,2916.45 4799,2914 D4.1@4971,2914 5246,2914 5314,2846 R6.2@5395,2846 6002.81,2846 ccw(c6002.81,2946) 6102.81,2946 J1.4@6102.81,3046.95
NetF1_1: F1.1 S1.1 | length 638.1
  Bottom Layer w40: F1.1@4786,4885 F1.1@4787,4885
  Bottom Layer w60: S1.1@4528,4481 4615,4481 ccw(c4615,4522) 4656,4522 4656,4852 4718,4914 F1.1@4786,4914
NetJ1_3: J1.3 P6.2 | length 677.3
  Bottom Layer w50: J1.3@5622.81,2546.95 5622.81,2347.19 ccw(c5693.57,2347.19) 5693.57,2276.43 P6.2@6060,2276.43
NetLED1_2: LED1.2 R7.1 | length 77.8
  Bottom Layer w40: LED1.2@4830,4067 4905,4067 R7.1@4907,4065
NetLED2_1: LED2.1 R8.2 | length 79.2
  Bottom Layer w40: R8.2@2464,4592 2464,4667 LED2.1@2467,4670
NetLED3_1: LED3.1 R9.2 | length 79.2
  Bottom Layer w40: R9.2@2619,4592 2619,4667 LED3.1@2622,4670
NetLED4_1: LED4.1 R12.2 | length 97.7
  Bottom Layer w50: R12.2@3574,1345 3578,1341 LED4.1@3670,1341
NetLED5_1: LED5.1 R13.2 | length 98.3
  Bottom Layer w50: LED5.1@3303,1334 3311,1342 R13.2@3398,1342
NetM1_1: M1.1 P5.1 | length 1931.2
  Bottom Layer w50: M1.1@4644.41,2430.87 4673.54,2460 5293,2460 cw(c5293,2372) 5381,2372 5381,1927 ccw(c5481,1927) 5481,1827 P5.1@6011.26,1827
NetM1_2: M1.2 Q1.3 R3.1 | length 690.7
  Bottom Layer w40: M1.2@4187.72,2337.17 4277.17,2337.17 4295,2355 R3.1@4295,2813 4296.45,2811.55 Q1.3@4412.45,2811.55
NetP7_1: P7.1 U4.5 | length 315.2
  Bottom Layer w50: P7.1@2432.89,1279 2432.89,1592.63 U4.5@2434,1593.74
NetP7_2: P7.2 U4.6 | length 315.2
  Bottom Layer w50: P7.2@2532.89,1279 2532.89,1592.63 U4.6@2534,1593.74
NetP7_3: P7.3 U4.7 | length 315.2
  Bottom Layer w50: P7.3@2632.89,1279 2632.89,1592.63 U4.7@2634,1593.74
NetP7_4: P7.4 U4.8 | length 315.2
  Bottom Layer w50: P7.4@2732.89,1279 2732.89,1592.63 U4.8@2734,1593.74
NetP8_3: P8.3 U5.13 | length 401.1
  Bottom Layer w20: U5.13@5642.31,4172.22 5778.22,4172.22 ccw(c5778.22,4204) 5810,4204 cw(c5838.35,4204) 5838.35,4232.35 P8.3@6009.1,4232.35
NetP8_4: P8.4 U5.14 | length 372.6
  Bottom Layer w20: U5.14@5642.31,4122.22 5801.22,4122.22 ccw(c5801.22,4126) 5805,4126 cw(c5811.35,4126) 5811.35,4132.35 P8.4@6009.1,4132.35
NetP8_5: P8.5 U5.15 | length 389.5
  Bottom Layer w20: U5.15@5642.31,4072.22 5791.78,4072.22 cw(c5791.78,4061) 5803,4061 ccw(c5816,4061) 5816,4048 5993.45,4048 cw(c5993.45,4032.35) P8.5@6009.1,4032.35
NetP8_6: P8.6 U5.16 | length 418.1
  Bottom Layer w20: U5.16@5642.31,4022.22 5728.78,4022.22 cw(c5728.78,3958) 5793,3958 ccw(c5818.65,3958) 5818.65,3932.35 P8.6@6009.1,3932.35
NetPOWER0_1: "POWER 12.0V.1" POWER0.1 S1.2 | length 1287.7
  Bottom Layer w70: POWER0.1@3690,4750.26 3690,4500 ccw(c3765,4500) 3690.23,4494.17 ccw(c3765,4500) 3765,4425 4176,4425 4177,4426 4177,4425 4242,4425 ccw(c4242,4525) 4342,4525 4342,4558 4342,4566.04 cw(c4442,4566.04) 4442,4666.04 4450.04,4666.04 S1.2@4528,4666.04
NetQ1_2: Q1.2 R4.2 | length 105.4
  Bottom Layer w40: Q1.2@4449.85,2719.03 4452.82,2722 R4.2@4554,2722
NetQ2_2: Q2.2 R5.2 | length 128.2
  Bottom Layer w40: R5.2@4631.03,3008.97 Q2.2@4759.15,3008.97
NetR1_2: R1.2 U1.5 | length 275.2
  Bottom Layer w40: U1.5@4621.34,4001.14 ccw(c4661.48,4001.14) 4661.48,3961 4868,3961 R1.2@4872,3965
NLINK: R9.1 U6.10 | length 198.8
  Bottom Layer w40: R9.1@2619,4502 cw(c2622,4502) 2622,4505 2661,4505 ccw(c2661,4531) 2687,4531 cw(c2704.67,4531) 2704.67,4548.67 U6.10@2791.14,4548.67
READY: R8.1 U6.9 | length 447
  Bottom Layer w40: R8.1@2464,4502 2464,4457 ccw(c2522,4457) 2522,4399 2688,4399 ccw(c2688,4438) 2727,4438 2727,4441 cw(c2755.93,4441) 2755.93,4469.93 U6.9@2791.14,4469.93
RELOAD: K1.1 K1.4 U6.3 | length 367.6
  Bottom Layer w40: K1.4@2427.98,3986.68 2780.33,3986.68 U6.3@2791.14,3997.49
RES: P1.41
VBAT: P1.42
pads on no net: J1.2 S1.3 U4.9 U4.10 U5.5 U5.6 U5.7 U5.10 U5.11 U5.12 U6.4 U6.7 U6.8
copper on no net: | length 64788